# Altium PCB Accumulator board 1 mkII 3.0.PcbDoc
Units mm, origin at the board's own origin, x right, y up, seen from the top; angles counter-clockwise.
Board outline 172.3 x 114 mm, 2 copper layers (Top Layer, Bottom Layer); 90 components, 55 nets, 271 pads, 220 vias.
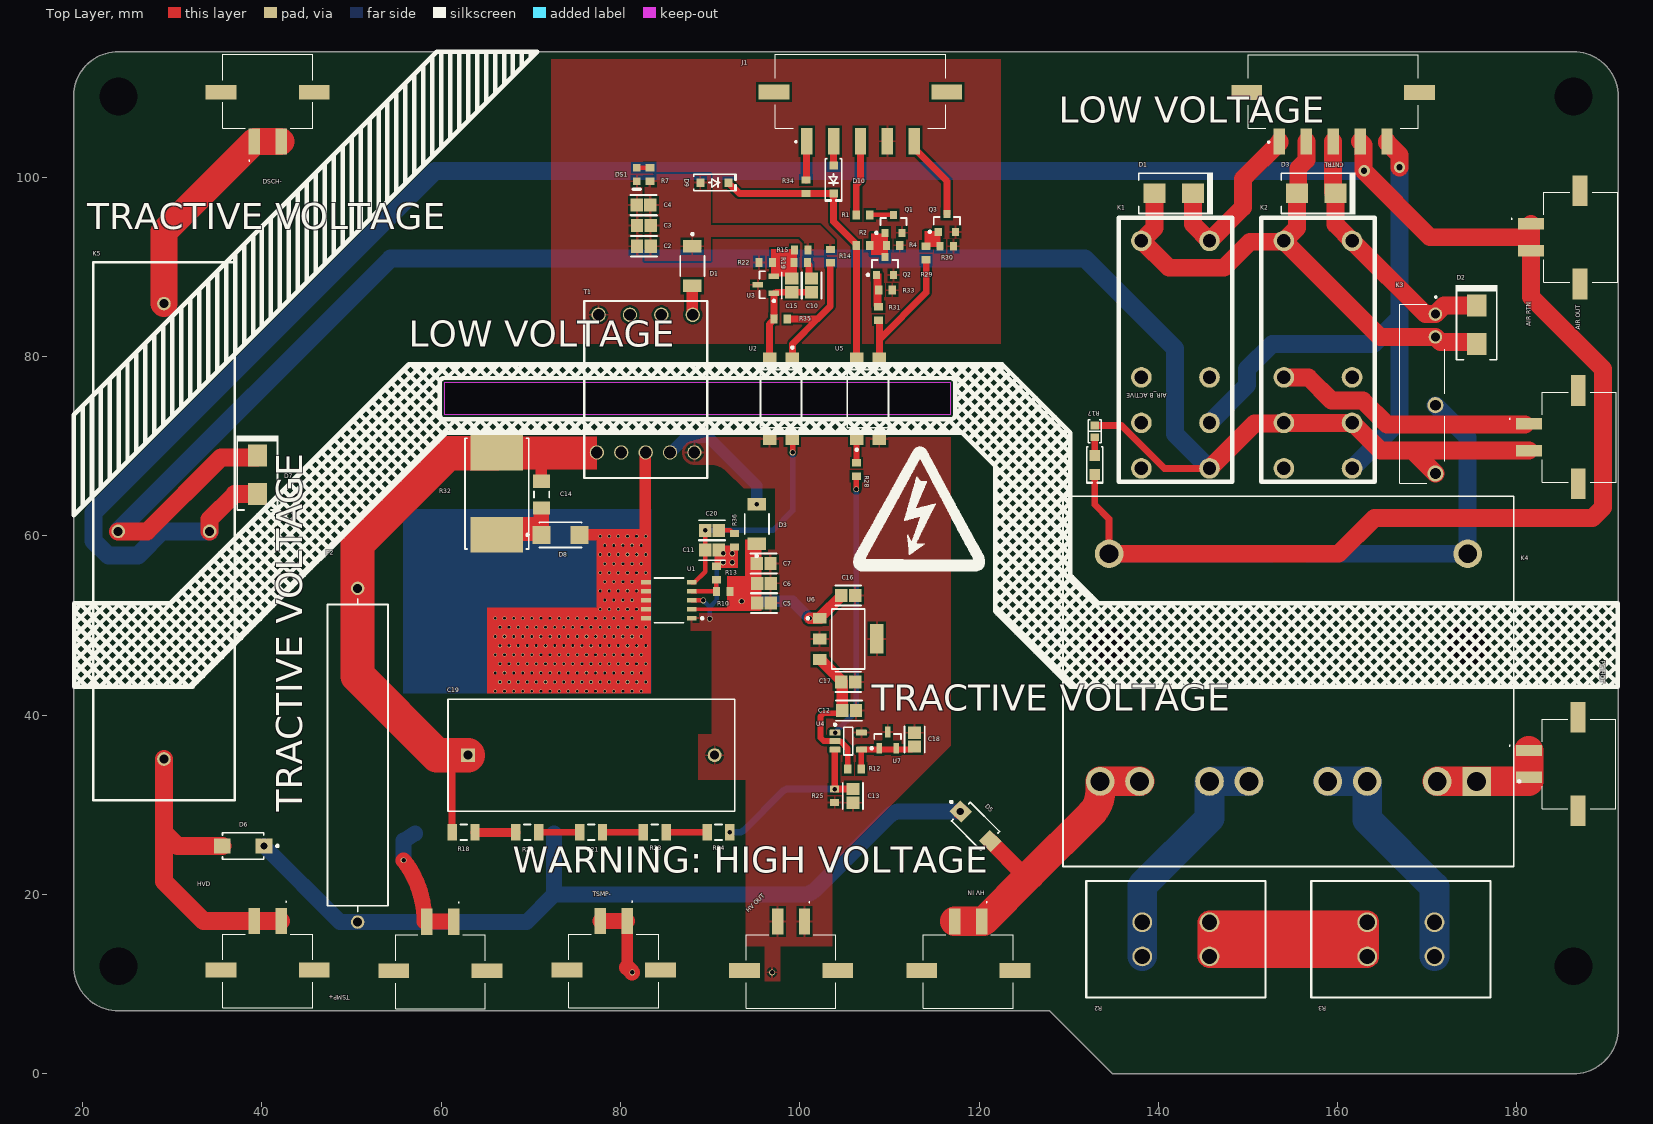
[diagram p0: Top Layer view]
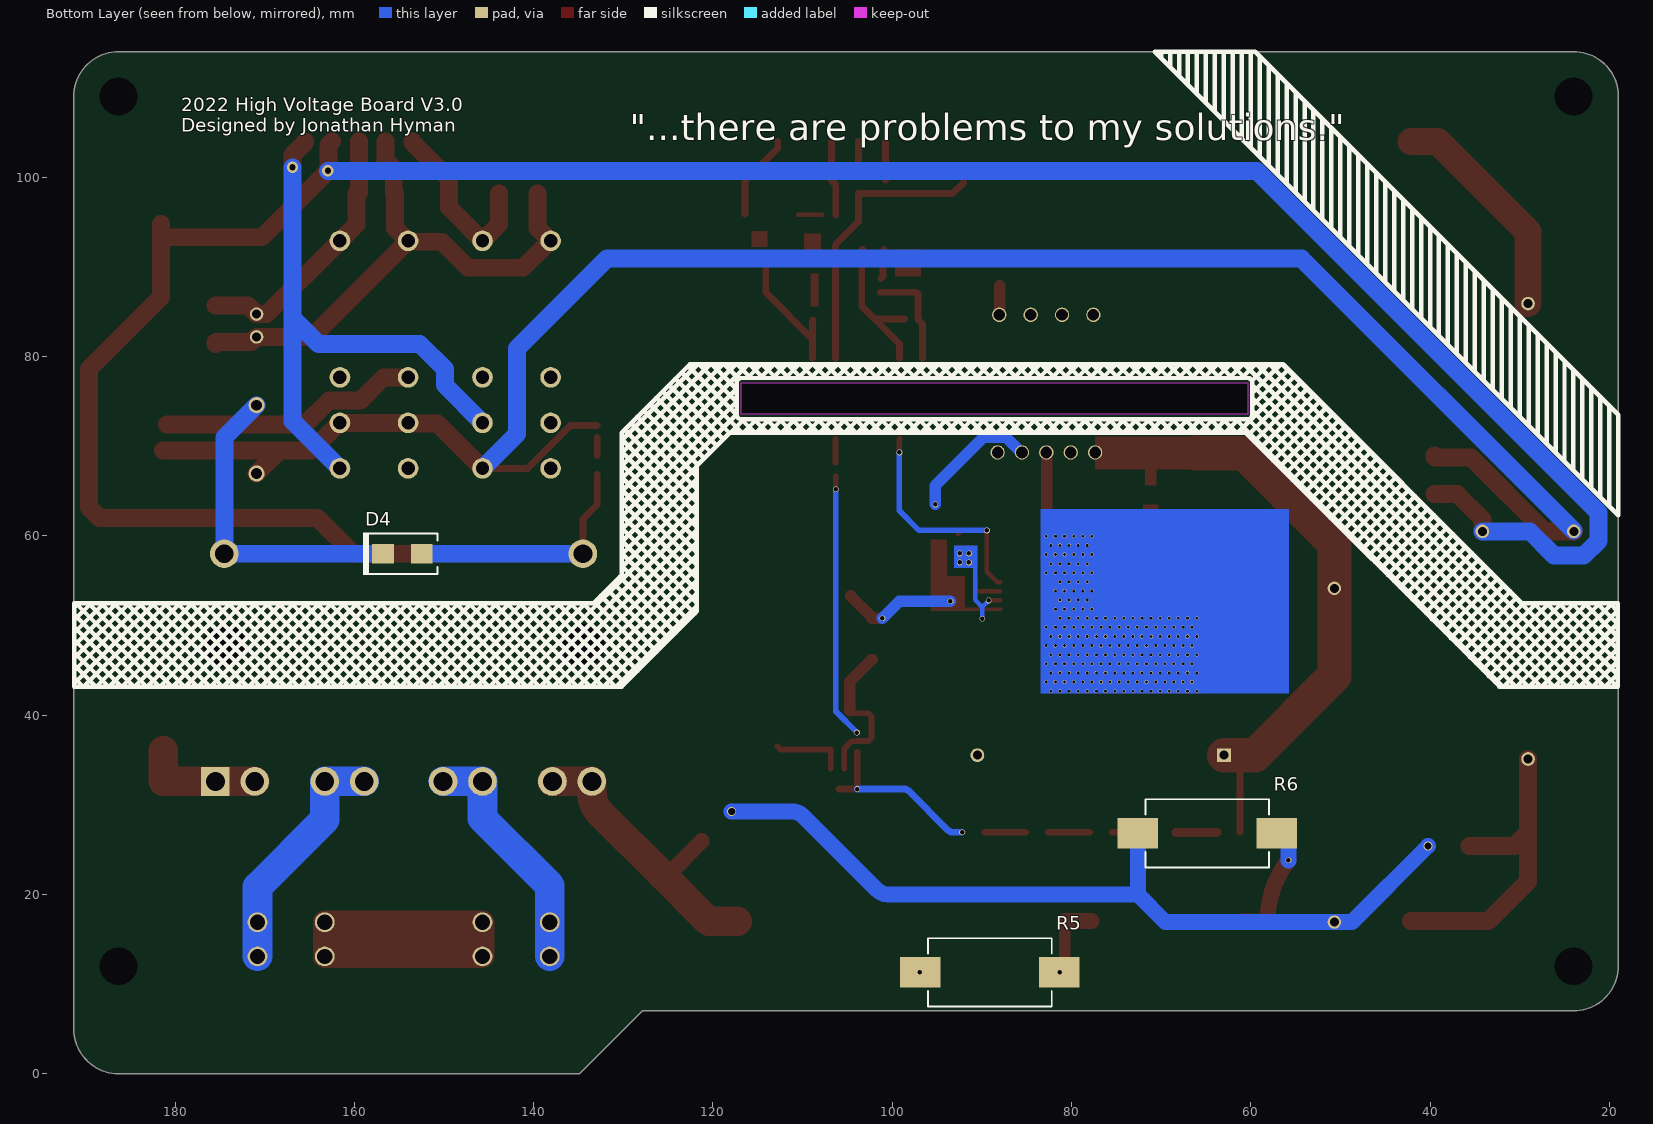
[diagram p1: Bottom Layer view, seen from below]
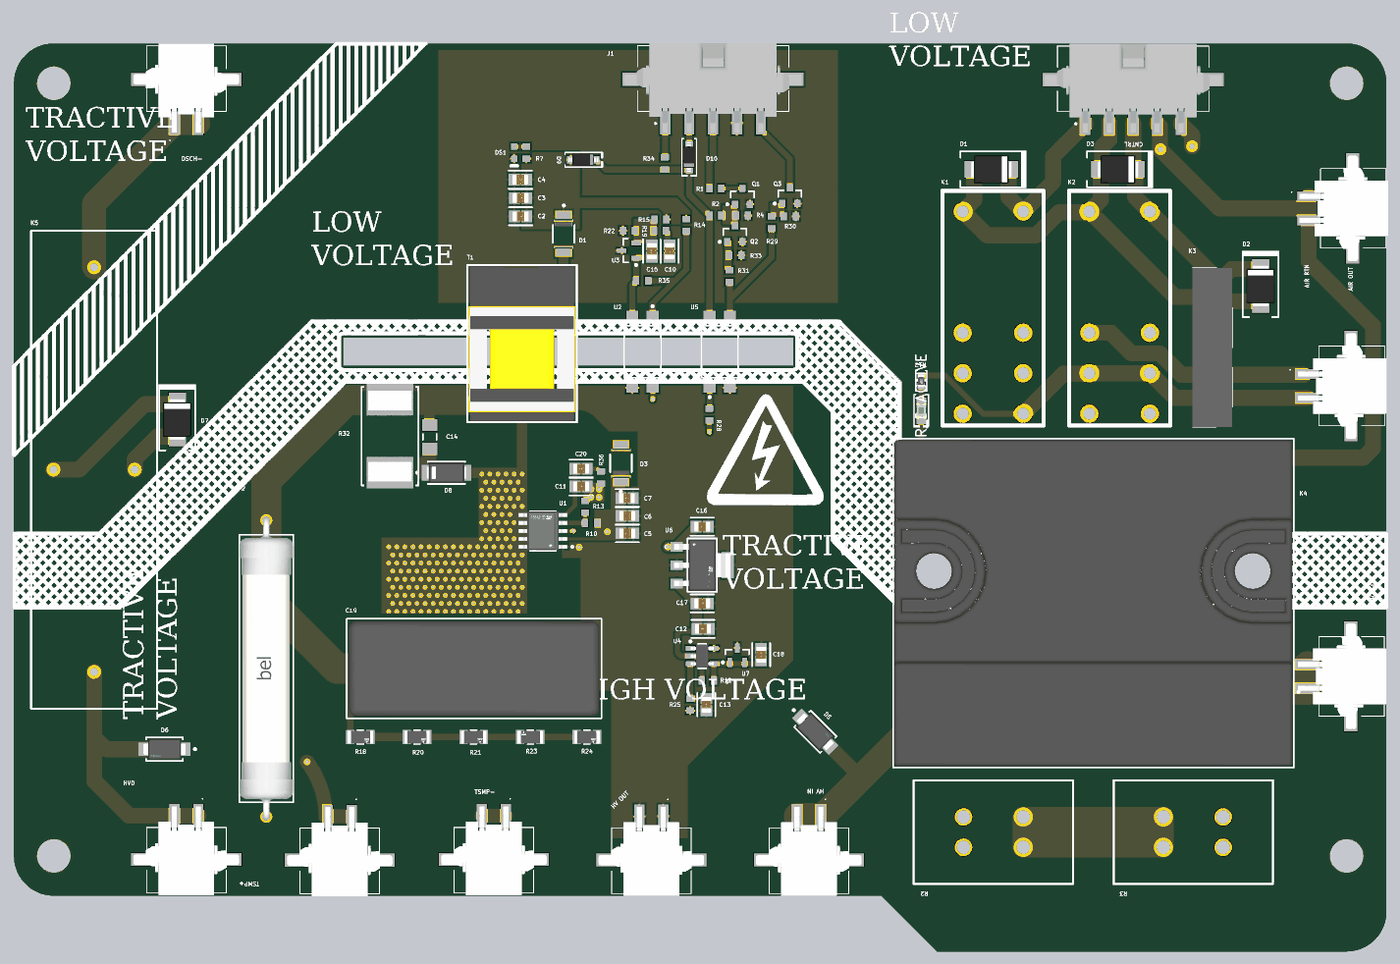
[diagram p2: 3D render of the assembled board from above, using the file's embedded part models]
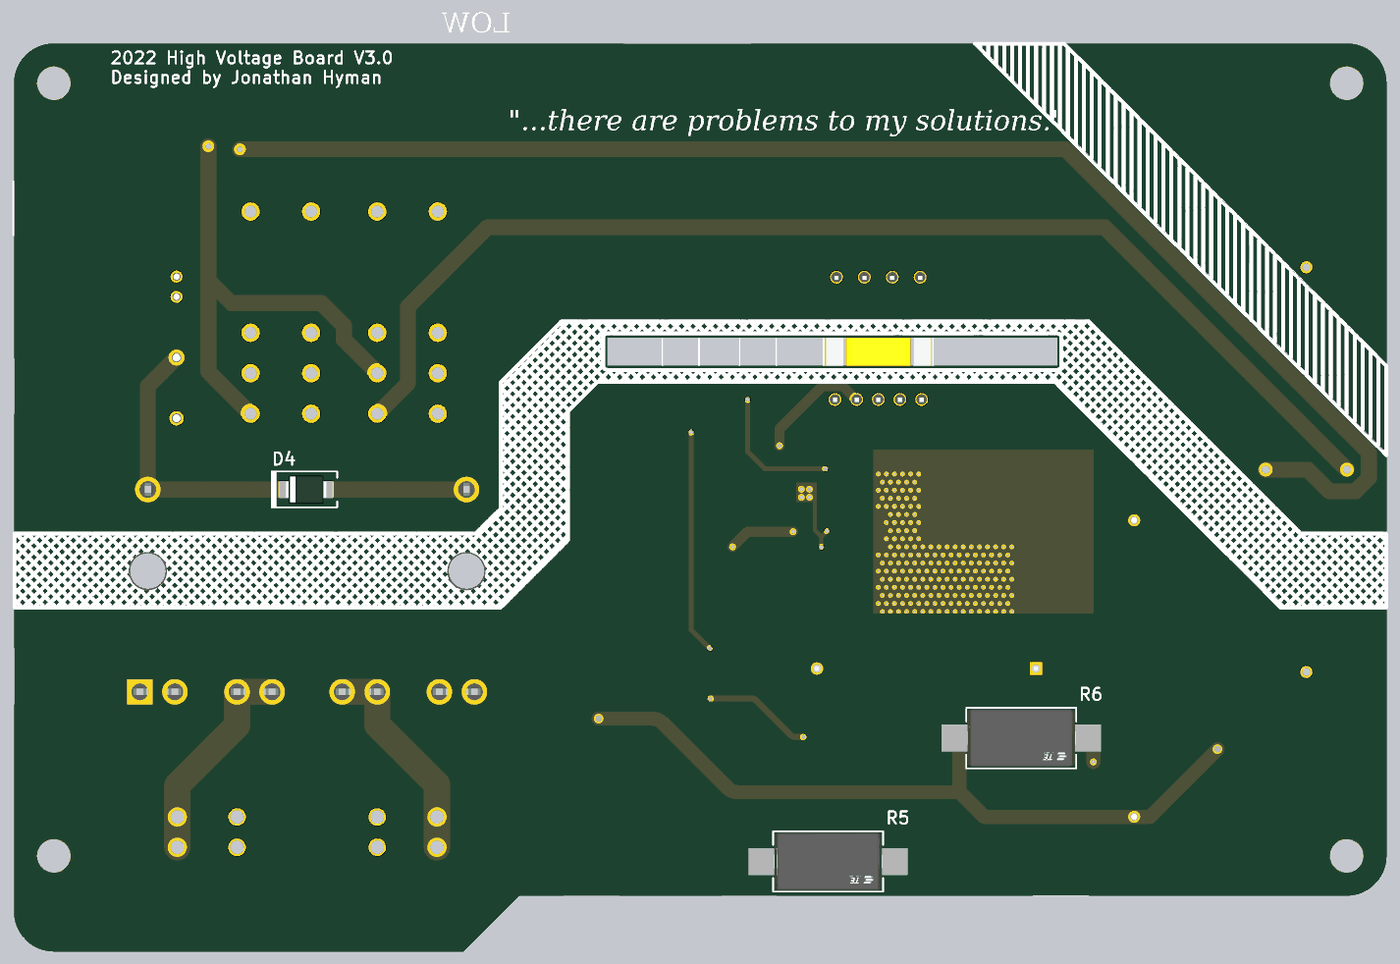
[diagram p3: 3D render of the assembled board from below, using the file's embedded part models]

## Layer stack, top to bottom
Top Solder: solder mask 0.0102, Solder Resist, Dk 3.5
Top Layer: signal copper 0.0356
Dielectric 1: dielectric 0.32, FR-4, Dk 4.8
Bottom Layer: signal copper 0.0356
Bottom Solder: solder mask 0.0102, Solder Resist, Dk 3.5

## Board outline
19,12 ccw(c24,12) 24,7 127.874,7 134.874,0 186.3,0 ccw(c186.3,5) 191.3,5 191.3,6.096 191.3,109 ccw(c186.3,109) 186.3,114 24,114 ccw(c23.95,109.05) 19,109.1 19,109
cut-out: 116.84,73.533 116.84,77.089 60.325,77.089 60.325,73.533

## Design rules (kind name [scope] priority, off if disabled: settings)
Clearance [All] p1: gap=0.254 ignorepadtopadclearanceinfootprint=TRUE except(0: Arc-Hole Track-Hole SMDPad-Hole THPad-Hole Via-Hole Fill-Hole Poly-Hole Region-Hole Text-Hole; 0.127: Arc-SMDPad Track-SMDPad SMDPad-SMDPad SMDPad-Region)
Height [All] p1: minheight=0 maxheight=50 prefheight=12.7
PolygonConnect [All] p1: connectstyle=Relief reliefconductorwidth=0.254 reliefentries=4 polygonreliefangle="90 Angle" airgapwidth=0.254
RoutingVias [All] p1: holewidth=0.711 width=1.27 viastyle="Through Hole" minholewidth=0.711 minwidth=1.27 maxholewidth=0.711 maxwidth=1.27
SolderMaskExpansion [All] p1: expansion=0.102 istentingtop=FALSE
Width [All] p1: maxlimit=5 minlimit=0.254 preferedwidth=0.254 minimp=50.000000 maximp=50.000000 favimp=50.000000
29 further rules are at their usual default settings.

## Classes and differential pairs
net class "High Voltage": ACC+ ACCSense DISC_- PC_hot
component class "Pretty Fly ngl (1) 2.0": .5 C2 C3 C4 C5 C6 C7 C10 C11 C12 C13 C14 C15 C16 C17 C18 C19 C20 D1 D3 D5 D6 D8 D9 D10 DS1 F2 "HV IN" "HV OUT" J1 Q1 Q2 Q3 R1 R2 R4 R7 R10 R12 R13 R14 R15 R18 R19 R20 R23 R24 R25 R28 R29 R30 R31 R32 R33 R34 R35 R36 T1 U1 U2 U3 U4 U5 U6 U7
component class "AIR Control Relays": "AIR OUT" "AIR RTN" "AIR_B ACTIVE" CNTRL D1 D2 D3 D4 D7 DSCH- HVD K1 K2 K3 K4 K5 "PC HOT" "PrCH Hot" R2 R3 R5 R6 R17 TSMP+ TSMP-

## Components (designator, comment, footprint, x,y, rotation, side; value= is the part's Value field where it differs from the comment)
"AIR OUT" "2029030-2" 20290302 186.2,71 r90 top
"AIR RTN" "2029030-2" 20290302 186.4,93.3 r90 top
"AIR_B ACTIVE" "HSMS-C177" "Led 0805/2012" 132.9,68.943 r270 top
C2 "10uF" FP-C2012-125-0_2-IPC_B 82.6,92.3 r180 top
C3 "1uF" FP-C2012-125-0_2-IPC_B 82.6,94.6 r180 top
C4 "0.1uF" FP-C2012-125-0_2-IPC_B 82.564,96.9 r180 top
C5 "10uF" FP-C2012-125-0_2-IPC_B 96,52.5 r0 top
C6 "10uF" FP-C2012-125-0_2-IPC_B 96,54.7 r0 top
C7 "0.1uF" FP-C2012-125-0_2-IPC_B 95.964,56.9 r0 top
C10 "0.1uF" FP-C2012-125-0_2-IPC_B 101.3,87.936 r90 top
C11 "4.7uF" FP-C2012-125-0_2-IPC_B 90.2,58.4 r0 top
C12 "0.1uF" FP-C2012-125-0_2-IPC_B 105.5,40.5 r0 top
C13 "0.1uF" FP-C2012-125-0_2-IPC_B 105.918,30.988 r270 top
C14 "0.2nF" KEMT-1206-2_M 71.2,64.6 r90 top
C15 "0.1uF" FP-C2012-125-0_2-IPC_B 99.1,87.936 r90 top
C16 "0.22uF" FP-C2012-125-0_2-IPC_B 105.4,53.34 r0 top
C17 "0.22uF" FP-C2012-125-0_2-IPC_B 105.4,43.7 r0 top
C18 "0.1uF" FP-C2012-125-0_2-IPC_B 112.8,37.264 r90 top
C19 "3.3uF" FP-ECW-FG1B205JA-MFG 76.75,35.525 r0 top value=2uF
C20 "4.7uF" FP-C2012-125-0_2-IPC_B 90.2,60.6 r0 top
CNTRL "2-1445057-5" 214450575 159.5,108.1 r180 top
D1 "320mV" FP-SOD128-MFG 88,90.1 r270 top
D1 "SMBJ16A" DO-214AA 139.55,98.199 r0 top
D2 "SMBJ16A" DO-214AA 175.5,81.4 r90 top
D3 "320mV" FP-SOD128-MFG 95.2,61.3 r90 top
D3 "SMBJ16A" DO-214AA 155.45,98.2 r0 top
D4 "SMBJ16A" DO-214AA 152.475,58 r0 bottom
D5 "US1MDFQ-13" FP-D-FLAT-MFG 119.6,27.6 r315 top value=10pF
D6 "US1MDFQ-13" FP-D-FLAT-MFG 37.9,25.4 r180 top value=10pF
D7 "SMBJ16A" DO-214AA 39.497,64.643 r90 top
D8 "RFN1L7SDDTE25" FP-PMDS-MFG 73.3,60.1 r0 top
D9 "PMEG4010EGWX" SOD-123 88.9,99.4 r270 top
D10 "PMEG4010EGWX" SOD-123 103.759,101.321 r180 top
DS1 "HSMH-C190" AVAG-HSMX-C190_V 81.8,100.3 r270 top
DSCH- "2029030-2" 20290302 40.638,108.844 r180 top
F2 "0ADBP1250-RE" FP-0ADBP-MFG 50.675,35.525 r90 top value=300mΩ
"HV IN" "2029030-2" 20290302 118.795,12.13 r0 top
"HV OUT" "2029030-2" 20290302 99.019,12.13 r0 top
HVD "2029030-2" 20290302 40.638,12.187 r0 top
J1 "2-1445057-5" 214450575 106.765,108.14 r180 top
K1 "Relay-DPDT" S4190D 145.7,67.52 r90 top
K2 "Relay-DPDT" S4190D 161.6,67.52 r90 top
K3 "PCN-112D3MHZ" PCN-112D3MHZ 172.068,97.985 r270 top
K4 "HEV2AN-P-DC12V" FP-HE-V-MFG 154.5,43.75 r180 top
K5 "DBR71205-HR" RELAYSPSTNC 21.163,90.5 r270 top
"PC HOT" "2029030-2" 20290302 186.182,34.544 r90 top
Q1 "2N7002KT3G" ONSC-SOT-23-3-318-08_V 110.45,94.8 r90 top
Q2 "MMBTA42LT1G" ONSC-SOT-23-3-318-08_V 109.5,90.1 r90 top
Q3 "MMBTA42LT1G" ONSC-SOT-23-3-318-08_V 116.4,94.9 r90 top
R1 "100" RESC1608X55X25ML10T15 107.05,95.8 r180 top
R2 "10K" RESC1608X55X25ML10T15 107.05,92.4 r180 top
R2 "TWM1" TWM20 131.696,8.232 r0 top
R3 "TWM2" TWM20 156.796,8.232 r0 top
R4 "1M" RESC1608X55X25ML10T15 110.4,92.4 r180 top
R5 "15K" FP-SMF5-MFG 89.1,11.3 r0 bottom
R6 "15K" FP-SMF5-MFG 64.85,26.8 r0 bottom
R7 "100" RESC1608X55X25ML10T15 83.3,100.3 r270 top
R10 "45K555" RESC1608X55X25ML10T15 91.45,53.8 r0 top
R12 "10K" RESC1608X55X25ML10T15 106.1,34 r180 top
R13 "10K" RESC1608X55X25ML10T15 90.7,55.85 r270 top
R14 "100" RESC1608X55X25ML10T15 103.4,91.2 r90 top
R15 "4K7" RESC1608X55X25ML10T15 100.15,91.9 r0 top
R17 "RT0603BRC0710KL" "RES 0603/1608" 132.9,72.3 r180 top value=10k
R18 "220K" FP-CRCW1206-e3-MFG 62.489,26.924 r0 top
R19 "4K7" RESC1608X55X25ML10T15 100.1,90.5 r180 top
R20 "220K" FP-CRCW1206-e3-MFG 69.598,26.924 r0 top
R21 "220K" FP-CRCW1206-e3-MFG 76.708,26.924 r0 top
R22 "10K" RESC1608X55X25ML10T15 96.2,90.5 r0 top
R23 "220K" FP-CRCW1206-e3-MFG 83.817,26.924 r180 top
R24 "220K" FP-CRCW1206-e3-MFG 90.927,26.924 r0 top
R25 "47K" RESC1608X55X25ML10T15 103.886,31 r90 top
R28 "660R" RESC1608X55X25ML10T15 106.3,67.4 r270 top
R29 "100" RESC1608X55X25ML10T15 114.1,91.55 r270 top
R30 "1M" RESC1608X55X25ML10T15 116.4,92.3 r180 top
R31 "100" RESC1608X55X25ML10T15 108.8,84.8 r270 top
R32 "2K4" FP-WSR-MFG 66.2,64.7 r90 top value=100mΩ
R33 "1M" RESC1608X55X25ML10T15 109.55,87.4 r180 top
R34 "100" RESC1608X55X25ML10T15 100.711,98.933 r90 top
R35 "10K" RESC1608X55X25ML10T15 97.85,84.2 r0 top
R36 "10K" RESC1608X55X25ML10T15 92.7,59.5 r90 top
T1 "750370024" "Transformer Viper" 89.658,67.268 r90 top
TSMP+ "2029030-2" 20290302 59.9,12.1 r0 top
TSMP- "2029030-2" 20290302 79.242,12.187 r0 top
U1 "VIPER013LS" FP-SSOP10-8140761-MFG 85.4,52.8 r180 top
U2 "LTV-816S-TA1" LTST-LTV-816S_V 97.9,75.3 r270 top
U3 "TL431CL3T" SOT23-3_L 96.2,88 r180 top
U4 "LMC7211AIM5/NOPB" DBV0005A_M 105.4,37.1 r0 top
U5 "LTV-816S-TA1" LTST-LTV-816S_V 107.6,75.3 r90 top
U6 "L5150BNTR" FP-SOT-223-GAPGPS01378-MFG 105.4,48.5 r0 top
U7 "TL431CL3T" SOT23-3_L 109.8,37.2 r90 top

## Footprints (in the part's own frame and the unit in brackets; to place one, negate y for a bottom-side part, rotate by r counter-clockwise, add the part's x,y. Pads: shape width x height; smd on the part's side, far side on the other; paste and mask are expansions set on the pad)
20290302 [mm]
  rect 1.27x2.92 smd: 1(1.5,4.85) 2(-1.5,4.85)
  rect 3.43x1.65 smd: MP1(5.205,-0.63) MP2(-5.205,-0.63)
  silkscreen extent -5,-4.85 5,7.05, body extent -6.63,-5.14 6.63,6.02, height 4.37
214450575 [mm]
  rect 1.27x2.92 smd: 1(6,4.12) 2(3,4.12) 3(0,4.12) 4(-3,4.12) 5(-6,4.12)
  rect 3.43x1.65 smd: MP1(9.635,-1.36) MP2(-9.635,-1.36)
  silkscreen extent -9.5,-5.58 9.5,4.28, body extent -11.12,-5.87 11.12,5.29, height 5.67
AVAG-HSMX-C190_V [mm] "SMD, 2-Leads, Body 1.6x0.8mm, Height 0.9mm"
  rect 0.8x0.8 smd: 1(-0.75,0) 2(0.75,0)
  silkscreen extent 1.65,-0.4 1.65,0.4, body extent -0.8,-0.4 0.8,0.4, height 0.9
DBV0005A_M [mm] "SOT23, 5-Leads, Body 3.05x1.75mm, Pitch 0.95mm, IPC Low Density"
  rrect15% 1.2x0.65 smd: 1(-1.475,0.95) 2(-1.475,0) 3(-1.475,-0.95) 4(1.475,-0.95) 5(1.475,0.95)
  silkscreen extent -1.6,-1.55 0.5,1.95, body extent -1.42,-1.46 1.42,1.46, height 1.08
DO-214AA [mm] "Diode"
  rect 2.45x2.15 smd: 1(0,0) 2(4.3,0)
  silkscreen extent -1.75,-2.35 6.55,2.35, body extent -0.45,-1.8 4.75,1.8, height 2.4
FP-0ADBP-MFG [mm]
  round 1.5 hole 1 paste-1000 mask+0: 1(-18.615,0) 2(18.615,0)
  silkscreen extent -17.44,-3.38 17.44,3.38, body extent -19.49,-3.48 19.49,3.48, height 0.25
FP-C2012-125-0_2-IPC_B [mm]
  rect 1.378x1.456 smd paste+0 mask+0: 1(-0.764,0) 2(0.764,0)
  silkscreen extent -1.45,-1.13 1.45,1.13, body extent -1.7,-0.98 1.7,0.98, height 0.25
FP-CRCW1206-e3-MFG [mm]
  rect 1.05x1.8 smd paste+0 mask+0: 1(-1.275,0) 2(1.275,0)
  silkscreen extent -0.38,-0.87 0.38,0.87, body extent -1.9,-1 1.9,1, height 0.25
FP-D-FLAT-MFG [mm]
  rect 1.85x1.7 smd paste+0 mask+0: 1(-2.325,0) 2(2.325,0)
  silkscreen extent -3.95,-1.48 2.3,1.48, body extent -3.35,-1.58 3.35,1.58, height 0.25
FP-ECW-FG1B205JA-MFG [mm]
  rect 1.55x1.55 hole 1 paste-1000 mask+0: 1(-13.75,0)
  round 1.55 hole 1 paste-1000 mask+0: 2(13.75,0)
  silkscreen extent -16,-6.25 16,6.25, body extent -16.1,-6.35 16.1,6.35, height 0.25
FP-HE-V-MFG [mm]
  rect 3.2x3.2 hole 2.1 paste-1000 mask+0: 1(-21,11.15)
  round 3.2 hole 2.1 paste-1000 mask+0: 1(-16.6,11.15) 2(-8.8,11.15) 2(-4.4,11.15) 3(4.4,11.15) 3(8.8,11.15) 4(16.6,11.15) 4(21,11.15) 5(20,-14.25) 6(-20,-14.25)
  silkscreen extent -25.88,-20.65 25.15,20.65, body extent -25.25,-20.75 25.25,20.75, height 0.25
FP-PMDS-MFG [mm]
  rect 2x2 smd paste+0 mask+0: 1(-2.1,0) 2(2.1,0)
  silkscreen extent -3.8,-1.4 2.35,1.4, body extent -3.2,-1.5 3.2,1.5, height 0.25
FP-SMF5-MFG [mm]
  rect 4.5x3.4 smd paste+0 mask+0: 1(-7.75,0) 2(7.75,0)
  silkscreen extent -6.9,-3.8 6.9,3.8, body extent -6.81,-3.65 6.81,3.65, height 7.1
FP-SOD128-MFG [mm]
  rect 1.4x2.1 smd paste-1000 mask+0: 1(-2.2,0) 2(2.2,0)
  silkscreen extent -3.67,-1.35 1.12,1.35, body extent -3.1,-1.7 3.1,1.7, height 0.25
FP-SOT-223-GAPGPS01378-MFG [mm]
  rect 1.5x1.2 smd paste+0 mask+0: 1(-3.2,2.3) 2(-3.2,0) 3(-3.2,-2.3)
  rect 1.5x3.3 smd paste+0 mask+0: 4(3.2,0)
  silkscreen extent -4.62,-3.35 1.85,3.35, body extent -4.05,-3.45 4.05,3.45, height 0.25
FP-SSOP10-8140761-MFG [mm]
  rect 1.1x0.51 smd paste+0 mask+0: 1(-2.55,2) 2(-2.55,1) 3(-2.55,0) 4(-2.55,-1) 5(-2.55,-2) 6(2.55,-2) 7(2.55,-1) 8(2.55,0) 9(2.55,1) 10(2.55,2)
  silkscreen extent -3.83,-2.5 1.63,2.5, body extent -3.2,-2.6 3.2,2.6, height 0.25
FP-WSR-MFG [mm]
  rect 3.94x5.84 smd paste+0 mask+0: 1(-4.575,0) 2(4.575,0)
  silkscreen extent -6.19,-3.55 6.19,3.55, body extent -6.65,-3.65 6.65,3.65, height 0.25
KEMT-1206-2_M [mm] "SMD, 2-Leads, Body 3.4x1.8mm, IPC Low Density"
  rect 1.5x1.9 smd: 1(-1.5,0) 2(1.5,0)
  silkscreen extent -0.35,-0.85 0.35,0.85, body extent -1.7,-0.9 1.7,0.9, height 0.88
"Led 0805/2012" [mm]
  rect 1.2x1.2 smd: 1(0,0) 2(2.1,0)
  silkscreen extent -0.98,-0.9 3.08,0.9, body extent 0.05,-0.62 2.05,0.63, height 0.9
LTST-LTV-816S_V [mm] "SMD, 4-Leads, Body 6.5x4.6mm, Pitch 2.54mm"
  rect 1.3x1.5 smd: 1(-4.5,1.27) 2(-4.5,-1.27) 3(4.5,-1.27) 4(4.5,1.27)
  silkscreen extent -5.82,-2.3 3.25,2.3, body extent -3.25,-2.3 3.25,2.3, height 4
ONSC-SOT-23-3-318-08_V [mm] "SOT23, 3-Leads, Body 2.92x1.3mm, Pitch 0.95mm"
  rect 0.9x0.8 smd: 1(-1,0.95) 2(-1,-0.95) 3(1,0)
  silkscreen extent -1.12,-1.46 0.65,2.02, body extent -0.65,-1.46 0.65,1.46, height 1.11
PCN-112D3MHZ [mm]
  round 1.8 hole 1.2: 11(31.039,-1.168) 14(23.419,-1.168)
  round 1.5 hole 1: A1(13.259,-1.168) A2(15.799,-1.168)
  silkscreen extent 11.25,-5.12 32.15,-0.12, body extent 12.15,-5.12 32.15,-0.12, height 12.6
RELAYSPSTNC [mm]
  round 1.524 hole 1: 0(30,2.8) 1(30,13) 2(55.4,7.9) 3(4.6,7.9)
  silkscreen extent 0,0 60,15.8, body extent 0,0 60,15.8, height 18.5
"RES 0603/1608" [mm]
  rect 0.95x0.85 smd: 1(0,0) 2(0,1.3)
  silkscreen extent -0.7,-0.62 0.7,1.92, body extent -0.4,-0.15 0.4,1.45, height 0.45
RESC1608X55X25ML10T15 [mm] "Chip Resistor, 2-Leads, Body 1.60x0.80mm, IPC Low Density"
  rect 0.8x1 smd: 1(-0.75,0) 2(0.75,0)
  body extent -0.85,-0.45 0.85,0.45, height 0.55
S4190D [mm]
  round 2.3 hole 1.5: 1(0,0) 2(5.08,0) 3(10.16,0) 4(25.38,0) 5(25.38,7.6) 6(10.16,7.6) 7(5.08,7.6) 8(0,7.6)
  silkscreen extent -1.48,-2.55 27.98,10.15, body extent -1.48,-2.55 27.85,10.15, height 20
SOD-123 [mm]
  rect 0.95x0.9 smd: 1(0,0) 2(0,3.15)
  silkscreen extent -0.92,-0.72 0.92,3.99, body extent -0.77,-0.29 0.78,3.44, height 1.35
SOT23-3_L [mm] "SOT23, 3-Leads, Body 2.9x1.3mm, Pitch 0.95mm, Lead Span 2.4mm, IPC High Density"
  rect 1.2x0.6 smd: 1(-0.9,0.95) 2(-0.9,-0.95) 3(0.9,0)
  silkscreen extent -1.02,-1.5 0.7,1.92, body extent -0.7,-1.52 0.7,1.52, height 1.12
"Transformer Viper" [mm]
  round 1.6 hole 1.3: 1(17.382,12.108) 2(17.382,1.608) 3(2.032,12.298) 4(2.032,6.858) 5(2.032,1.418) 6(2.032,4.138) 7(17.382,5.108) 8(17.382,8.608) 9(2.032,9.578)
  silkscreen extent -0.82,0 18.92,13.72, body extent -0.7,0.17 18.8,13.58, height 9.4
TWM20 [mm]
  round 2.2 hole 1.7: 0(6.504,4.849) 0(6.504,8.659) 1(14.004,4.849) 1(14.004,8.659)
  silkscreen extent 0.25,0.25 20.25,13.25, body extent 0.27,0.26 20.25,13.25, height 45

## Part data
"AIR OUT" "AIR RTN" CNTRL DSCH- "HV IN" "HV OUT" HVD J1 "PC HOT" TSMP+ TSMP-: "Connector", Manufacturer_Name="TE Connectivity"
  "AIR OUT" "AIR RTN" DSCH- "HV IN" "HV OUT" HVD "PC HOT" TSMP+ TSMP-: Datasheet Link=https://datasheet.datasheetarchive.com/originals/distributors/Datasheets_SAMA/f75355dc101dbac16187fb02437cb13d.pdf, Height=4.37mm, Manufacturer_Part_Number=2029030-2
  CNTRL J1: Datasheet Link=https://componentsearchengine.com/Datasheets/1/2-1445057-5.pdf, Height=5.67mm, Manufacturer_Part_Number=2-1445057-5
"AIR_B ACTIVE": library part LED2, "Standard LEDs - SMD Chip Top Mt HER", LatestRevisionDate=17-Jul-2002, LatestRevisionNote="Re-released for DXP Platform.", PackageDescription="SM LED; 2 Flat Leads", PackageReference=3.2X1.6X1.1, PackageVersion=Feb-2002, Published=8-Jun-2000, Publisher="Altium Limited"
C2 C3 C4 C5 C6 C7 C10 C12 C13 C15 C16 C17 C18: library part CMP-08246-000007-2, "Multilayer Ceramic Capacitors 4.7μF ±10% 50V X5R SMD 0805", Capacitance=4.7uF, Case Code (Imperial)=0805, Case Code (Metric)=2012, Dielectric=X5R, Dielectric Material=Ceramic, Max Operating Temperature=85°C, Min Operating Temperature=-55°C, Package Quantity=1, Tolerance=10%, Voltage=50V, Case/Package=0805, Construction=Flat, Depth=1.25mm, Height=1.25mm, Lead Free="Lead Free", Length=2mm, Mount="Surface Mount", Packaging="Tape and Reel", Radiation Hardening=No, REACH SVHC="No SVHC", Resistor Type=Ceramic, Series=C, Termination=SMD/SMT, Thickness=0.057inch, Voltage Rating=50V, Voltage Rating (DC)=50V, Weight=0.000194oz, Width=0.049inch
C11 C20: library part CMP-08246-000007-2, "Multilayer Ceramic Capacitors 4.7μF ±10% 50V X5R SMD 0805", Case Code (Imperial)=0805, Case Code (Metric)=2012, Dielectric=X5R, Dielectric Material=Ceramic, Max Operating Temperature=85°C, Min Operating Temperature=-55°C, Package Quantity=1, Tolerance=10%, Voltage=50V, Capacitance=4.7uF, Case/Package=0805, Construction=Flat, Depth=1.25mm, Height=1.25mm, Lead Free="Lead Free", Length=2mm, Mount="Surface Mount", Packaging="Tape and Reel", Radiation Hardening=No, REACH SVHC="No SVHC", Resistor Type=Ceramic, Series=C, Termination=SMD/SMT, Thickness=0.057inch, Voltage Rating=50V, Voltage Rating (DC)=50V, Weight=0.000194oz, Width=0.049inch
C14: library part CMP-1037-04202-2, "C3216C0G2J221J060AA", Capacitance=0.1µF, Capacitance Tolerance=±10%, Capacitor Case Style=1206[3216Metric], Dielectric Characteristic=X7R, Manufacturer=Kemet, Operating Temperature Max=125degC, Operating Temperature Min=-55degC, Package Description="2-Leads SMD, Body 3.2 x 1.6 mm", Package Reference=1206-2, Voltage Rating=50V, Datasheet URL=https://datasheet.ciiva.com/6125/1725438-6125494.pdf, Datasheet Version=Jul-13, Manufacturer URL=http://www.kemet.com/, Packaging=Tape&Reel, Product Range=KEMET-CSeries, SVHC=ToBeAdvised
C19: library part CMP-05434-000001-1, "ECW-FG80335J", Capacitance=2uF, Manufacturer=Panasonic, Manufacturer Part Number=ECW-FG1B205JA, Package=0, Temperature="-40°C to +110°C", Temperature Range High=+110°C, Temperature Range Low=-40°C, Tolerance=5%, Voltage Rating=1100V, Automotive=Yes, Automotive Grade="Grade 2", Category=Cap, ComponentLink2Description=Datasheet, ComponentLink2URL=https://industrial.panasonic.com/cdbs/www-data/pdf/RDL0000/RDL0000C245.pdf, Device Class L1="Passive Components", Device Class L2=Capacitors, Device Class L3="Film Capacitors", Digikey Description="CAP FILM 2UF 5% 1.1KVDC RADIAL", Height=25mm, Lead Free=Yes, Material="Metallized Polypropylene", Octopart=https://octopart.com/ecwfg1b205ja-panasonic-104895355, RoHS=TRUE
D1 D3: library part CMP-14398-000034-1, "PMEG6030EVPX", RoHS Compliant=Yes
D1 D2 D3 D4 D7: library part "D Zener", "714-7162", LatestRevisionDate=17-Jul-2002, LatestRevisionNote="Re-released for DXP Platform.", PackageDescription="Diode, Thru-Hole; 2 Leads; 0.7 in Pin Spacing", PackageReference=DIODE-0.7, Published=8-Jun-2000, Publisher="Altium Limited"